# KiCad board Entrex Tape Controller 800 BPI.kicad_pcb
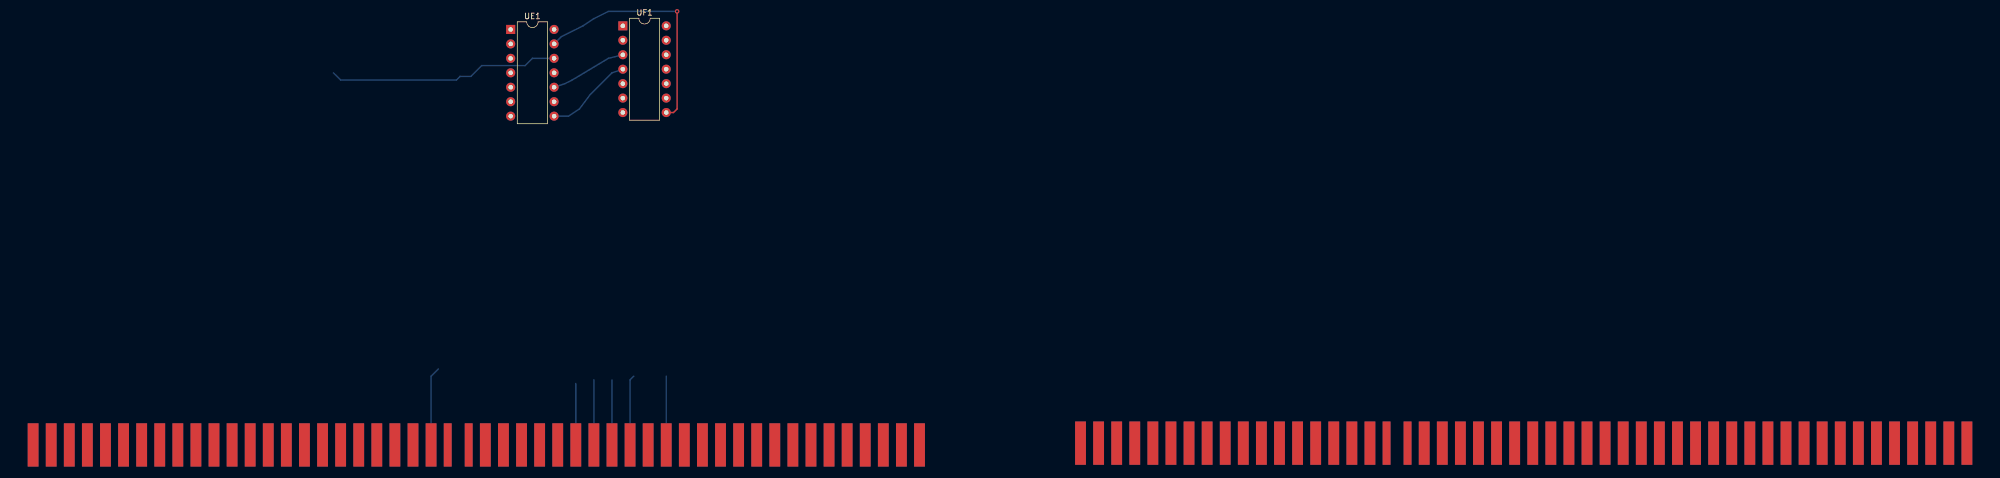
[diagram p0: board, top side]
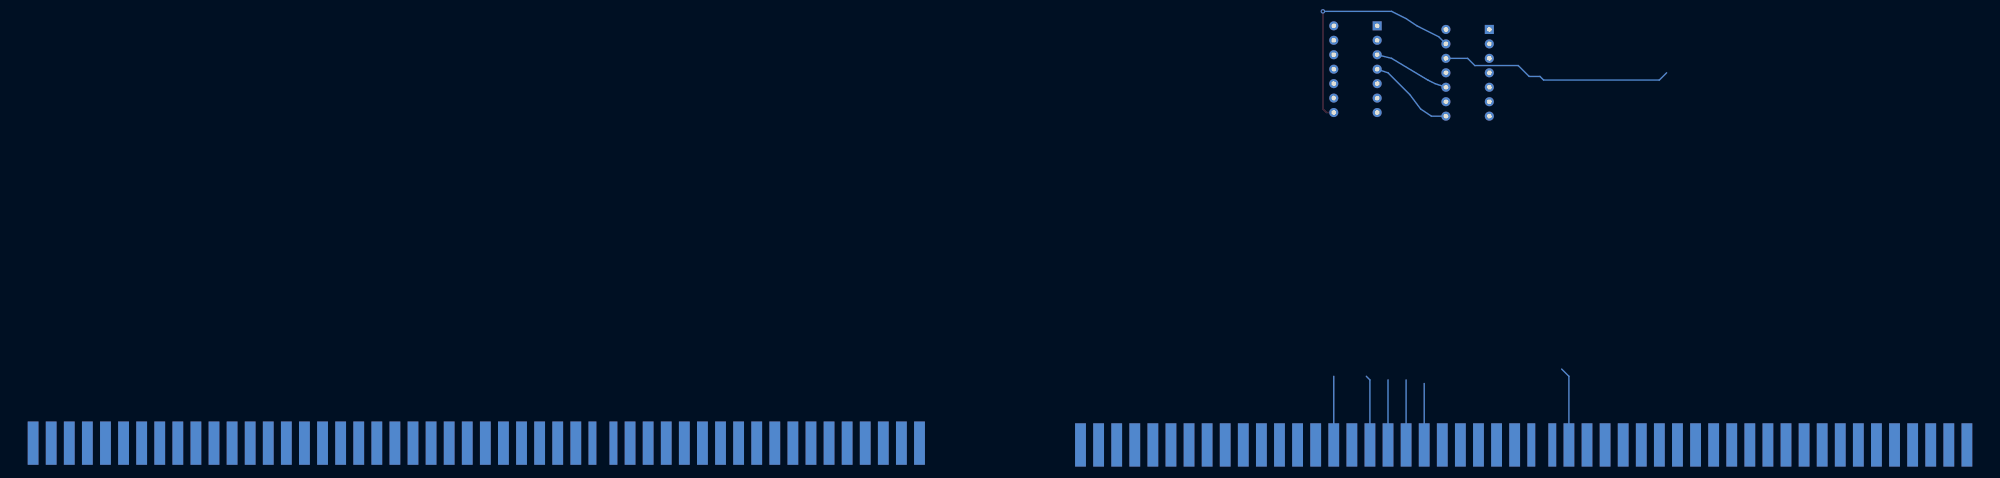
[diagram p1: board, bottom side, seen from below]

No outline. copper layers: Top, Bottom. Coordinates in mm from the lowest, leftmost part position.

## Placement (name value [footprint] x y rotation side)
J1  Slot_02x50_Odd_Even  [portA_NovaMod]  0 0 90 top
J2  Slot_02x50_Odd_Even  [portB_NovaMod]  183.32 2.73 90 top
UE1  74LS04  [DIP-14_W7.62mm]  8.06 148.78 0 top
UF1  74LS30  [DIP-14_W7.62mm]  27.75 149.42 0 top

## Library data of the parts
UE1 = -: Description: Hex Inverter
UF1 = -: Description: 8-input NAND

## Footprints (pads in the part's own frame, mm; a bottom-side part is the same pattern mirrored in y, then rotated)
DIP-14_W7.62mm
  rect 1.6x1.6 hole 0.8: 1(0,0)
  oval 1.6x1.6 hole 0.8: 2(0,-2.54) 3(0,-5.08) 4(0,-7.62) 5(0,-10.16) 6(0,-12.7) 7(0,-15.24) 8(7.62,-15.24) 9(7.62,-12.7) 10(7.62,-10.16) 11(7.62,-7.62) 12(7.62,-5.08) 13(7.62,-2.54) 14(7.62,0)
portA_NovaMod
  rect 7.62x1.905 smd: 1(75.755,75.755) 3(75.755,72.581) 5(75.755,69.406) 7(75.755,66.231) 9(75.755,63.056) 11(75.755,59.88) 13(75.755,56.706) 15(75.755,53.531) 17(75.755,50.355) 19(75.755,47.181) 21(75.755,44.005) 23(75.755,40.831) 25(75.755,37.656) 27(75.755,34.48) 29(75.755,31.305) 31(75.755,28.131) 33(75.755,24.956) 35(75.755,21.78) 37(75.755,18.605) 39(75.755,15.431) 41(75.755,12.255) 43(75.755,9.081) 45(75.755,5.905) 51(75.755,-3.619) 53(75.755,-6.795) 55(75.755,-9.97) 57(75.755,-13.145) 59(75.755,-16.32) 61(75.755,-19.494) 63(75.755,-22.669) 65(75.755,-25.845) 67(75.755,-29.02) 69(75.755,-32.194) 71(75.755,-35.37) 73(75.755,-38.544) 75(75.755,-41.719) 77(75.755,-44.895) 79(75.755,-48.069) 81(75.755,-51.245) 83(75.755,-54.419) 85(75.755,-57.594) 87(75.755,-60.77) 89(75.755,-63.944) 91(75.755,-67.12) 93(75.755,-70.294) 95(75.755,-73.469) 97(75.755,-76.644) 99(75.755,-79.82)
  rect 7.62x1.905 smd far side: 2(75.755,75.755) 4(75.755,72.581) 6(75.755,69.406) 8(75.755,66.231) 10(75.755,63.056) 12(75.755,59.88) 14(75.755,56.706) 16(75.755,53.531) 18(75.755,50.355) 20(75.755,47.181) 22(75.755,44.005) 24(75.755,40.831) 26(75.755,37.656) 28(75.755,34.48) 30(75.755,31.305) 32(75.755,28.131) 34(75.755,24.956) 36(75.755,21.78) 38(75.755,18.605) 40(75.755,15.431) 42(75.755,12.255) 44(75.755,9.081) 46(75.755,5.905) 52(75.755,-3.619) 54(75.755,-6.795) 56(75.755,-9.97) 58(75.755,-13.145) 60(75.755,-16.32) 62(75.755,-19.494) 64(75.755,-22.669) 66(75.755,-25.845) 68(75.755,-29.02) 70(75.755,-32.194) 72(75.755,-35.37) 74(75.755,-38.544) 76(75.755,-41.719) 78(75.755,-44.895) 80(75.755,-48.069) 82(75.755,-51.245) 84(75.755,-54.419) 86(75.755,-57.594) 88(75.755,-60.77) 90(75.755,-63.944) 92(75.755,-67.12) 94(75.755,-70.294) 96(75.755,-73.469) 98(75.755,-76.644) 100(75.755,-79.82)
  rect 7.62x1.397 smd: 47(75.755,2.985) 49(75.755,-0.699)
  rect 7.62x1.397 smd far side: 48(75.755,2.985) 50(75.755,-0.699)
portB_NovaMod
  rect 7.62x1.905 smd: 1(73.343,75.248) 3(73.343,72.073) 5(73.343,68.897) 7(73.343,65.722) 9(73.343,62.547) 11(73.343,59.373) 13(73.343,56.197) 15(73.343,53.023) 17(73.343,49.847) 19(73.343,46.672) 21(73.343,43.498) 23(73.343,40.322) 25(73.343,37.148) 27(73.343,33.972) 29(73.343,30.797) 31(73.343,27.622) 33(73.343,24.448) 39(73.343,14.922) 41(73.343,11.748) 43(73.343,8.572) 45(73.343,5.397) 47(73.343,2.223) 49(73.343,-0.953) 51(73.343,-4.128) 53(73.343,-7.303) 55(73.343,-10.477) 57(73.343,-13.652) 59(73.343,-16.828) 61(73.343,-20.003) 63(73.343,-23.177) 65(73.343,-26.352) 67(73.343,-29.527) 69(73.343,-32.703) 71(73.343,-35.877) 73(73.343,-39.053) 75(73.343,-42.227) 77(73.343,-45.403) 79(73.343,-48.578) 81(73.343,-51.752) 83(73.343,-54.928) 85(73.343,-58.102) 87(73.343,-61.278) 89(73.343,-64.453) 91(73.343,-67.627) 93(73.343,-70.802) 95(73.343,-73.978) 97(73.343,-77.153) 99(73.343,-80.328)
  rect 7.62x1.905 smd far side: 2(73.343,75.248) 4(73.343,72.073) 6(73.343,68.897) 8(73.343,65.722) 10(73.343,62.547) 12(73.343,59.373) 14(73.343,56.197) 16(73.343,53.023) 18(73.343,49.847) 20(73.343,46.672) 22(73.343,43.498) 24(73.343,40.322) 26(73.343,37.148) 28(73.343,33.972) 30(73.343,30.797) 32(73.343,27.622) 34(73.343,24.448) 40(73.343,14.922) 42(73.343,11.748) 44(73.343,8.572) 46(73.343,5.397) 48(73.343,2.223) 50(73.343,-0.953) 52(73.343,-4.128) 54(73.343,-7.303) 56(73.343,-10.477) 58(73.343,-13.652) 60(73.343,-16.828) 62(73.343,-20.003) 64(73.343,-23.177) 66(73.343,-26.352) 68(73.343,-29.527) 70(73.343,-32.703) 72(73.343,-35.877) 74(73.343,-39.053) 76(73.343,-42.227) 78(73.343,-45.403) 80(73.343,-48.578) 82(73.343,-51.752) 84(73.343,-54.928) 86(73.343,-58.102) 88(73.343,-61.278) 90(73.343,-64.453) 92(73.343,-67.627) 94(73.343,-70.802) 96(73.343,-73.978) 98(73.343,-77.153) 100(73.343,-80.328)
  rect 7.62x1.397 smd: 35(73.343,21.526) 37(73.343,17.843)
  rect 7.62x1.397 smd far side: 36(73.343,21.526) 38(73.343,17.843)

## Nets
+5V: J1.3 J1.4 J1.97 J1.98 J2.3 J2.4 J2.97 J2.98 UE1.14 UF1.14
+VINH: J1.10 J2.84
-5V: J1.6 J2.81
GND: J1.1 J1.2 J1.33 J1.34 J1.99 J1.100 J2.1 J2.2 J2.50 J2.89 J2.92 J2.99 J2.100 UE1.7 UF1.7
+V MEM: J2.46
Active: UE1.13 UF1.8
CLR: J1.50
DATIA: J1.44
DATIB: J1.42
DATIC: J1.54
DATOA: J1.58
DATOB: J1.56
DATOC: J1.48
DCHI: J2.37
DCHO: J2.33
DS1: UE1.8 UF1.4
DS4: UE1.10 UF1.1 UF1.2 UF1.3
INH GND: J1.8 J1.14 J1.16 J1.20 J1.22 J1.26 J1.30 J1.31
INHIBIT: J2.30
INTA: J1.40
IO PLS: J1.74
IO RST: J1.70
MB LOAD: J2.74
OVFLO: J2.39
RHIN3: J1.11
RINH6: J1.18
RINH9: J1.24
RINH12: J1.28
RNIH0: J1.5
RNIH1: J1.7
RNIH2: J1.9
RNIH4: J1.13
RNIH5: J1.15
RNIH7: J1.17
RNIH8: J1.19
RNIH10: J1.23
RNIH11: J1.21
RNIH13: J1.25
RNIH14: J1.29
RNIH15: J1.27
ROS: J2.78
STROBE: J2.20
STRT: J1.52
TAPE CS: J1.49
~{Active}: UE1.12
~{BMA LOAD}: J2.10
~{DATA0}: J2.62
~{DATA1}: J2.65
~{DATA2}: J2.82
~{DATA3}: J2.73
~{DATA4}: J2.61
~{DATA5}: J2.57
~{DATA6}: J2.95
~{DATA7}: J2.55
~{DATA8}: J2.60
~{DATA9}: J2.63
~{DATA10}: J2.75
~{DATA11}: J2.58
~{DATA12}: J2.59
~{DATA13}: J2.64
~{DATA14}: J2.56
~{DATA15}: J2.66
~{DCHA}: J1.60
~{DCHM0}: J2.17
~{DCHM1}: J2.21
~{DCHP IN}: J1.94
~{DCHP OUT}: J1.93
~{DCHR}: J2.35
~{DS0}: J1.72 UF1.12
~{DS1}: J1.68 UE1.9
~{DS2}: J1.66 UF1.11
~{DS3}: J1.46 UF1.5
~{DS4}: J1.62 UE1.11
~{DS5}: J1.64 UF1.6
~{EXT SELECT}: J2.80
~{INH TRANS}: J2.45
~{INHIBIT SELECT}: J2.85
~{INTP IN}: J1.96
~{INTP OUT}: J1.95
~{INTR}: J2.29
~{MA LOAD}: J2.7
~{MB CLEAR}: J2.86
~{MBO0}: J2.79
~{MBO1}: J2.77
~{MBO2}: J2.44
~{MBO3}: J2.43
~{MBO4}: J2.42
~{MBO5}: J2.32
~{MBO6}: J2.16
~{MBO7}: J2.14
~{MBO8}: J2.12
~{MBO9}: J2.9
~{MBO10}: J2.8
~{MBO11}: J2.5
~{MBO12}: J1.39
~{MBO13}: J1.37
~{MBO14}: J1.43
~{MBO15}: J1.41
~{MEM0}: J2.71
~{MEM1}: J2.70
~{MEM2}: J2.47
~{MEM3}: J2.68
~{MEM4}: J2.28
~{MEM5}: J2.26
~{MEM6}: J2.22
~{MEM7}: J2.24
~{MEM8}: J1.55
~{MEM9}: J1.53
~{MEM10}: J1.45
~{MEM11}: J1.51
~{MEM12}: J1.36
~{MEM13}: J1.35
~{MEM14}: J2.76
~{MEM15}: J2.18
~{MSKO}: J1.38
~{READ1}: J2.87
~{READ2}: J2.90
~{RELOAD DISABLE}: J2.72
~{RQENB}: J2.41
~{SELB}: J1.82
~{SELD}: J1.80

Pads without a net: J1 12 32 47 57 59 61 63 65 67 69 71 73 75 76 77 78 79 81 83 84 85 86 87 88 89 90 91 92; J2 6 11 13 15 19 23 25 27 31 34 36 38 40 48 49 51 52 53 54 67 69 83 88 91 93 94 96; UE1 1 2 3 4 5 6; UF1 9 10 13

## Via types
v1: diameter 0.8, hole 0.4, Top to Bottom, 1 via

## Routing (per net, layer and track width the routed paths; a pad name or vN(x,y) marks a point on that pad's centre or on a via; arc(x,y) is an arc through that point)
Active: length 42.6
  Top w0.25: UF1.8 36.64,134.18 37.27,134.81 v1(37.27,151.96)
  Bottom w0.25: UE1.13 16.95,147.51 20.76,149.42 22.67,150.69 25.21,151.96 v1(37.27,151.96)
DS1: length 15.4
  Bottom w0.25: UE1.8 18.22,133.54 20.13,134.81 22.03,137.35 25.84,141.16 UF1.4
DS4: length 13.5
  Bottom w0.25: UF1.3 25.21,143.7 18.86,139.89 17.59,139.26 UE1.10
~{Active}: length 40.8
  Bottom w0.25: -23.05,141.16 -21.78,139.89 -1.46,139.89 -0.83,140.53 1.08,140.53 2.98,142.43 10.6,142.43 11.87,143.7 UE1.12
~{DS0}: length 12.1
  Bottom w0.25: J1.72 35.37,87.82
~{DS1}: length 12.3
  Bottom w0.25: J1.68 29.02,87.19 29.65,87.82
~{DS2}: length 11.4
  Bottom w0.25: J1.66 25.84,87.19
~{DS3}: length 13.9
  Bottom w0.25: -4.64,89.09 -5.91,87.82 J1.46
~{DS4}: length 10.8
  Bottom w0.25: 19.49,75.76 19.49,86.55
~{DS5}: length 11.4
  Bottom w0.25: J1.64 22.67,87.19
